# Allegro board FMDEMOD-Long.brd (continued)
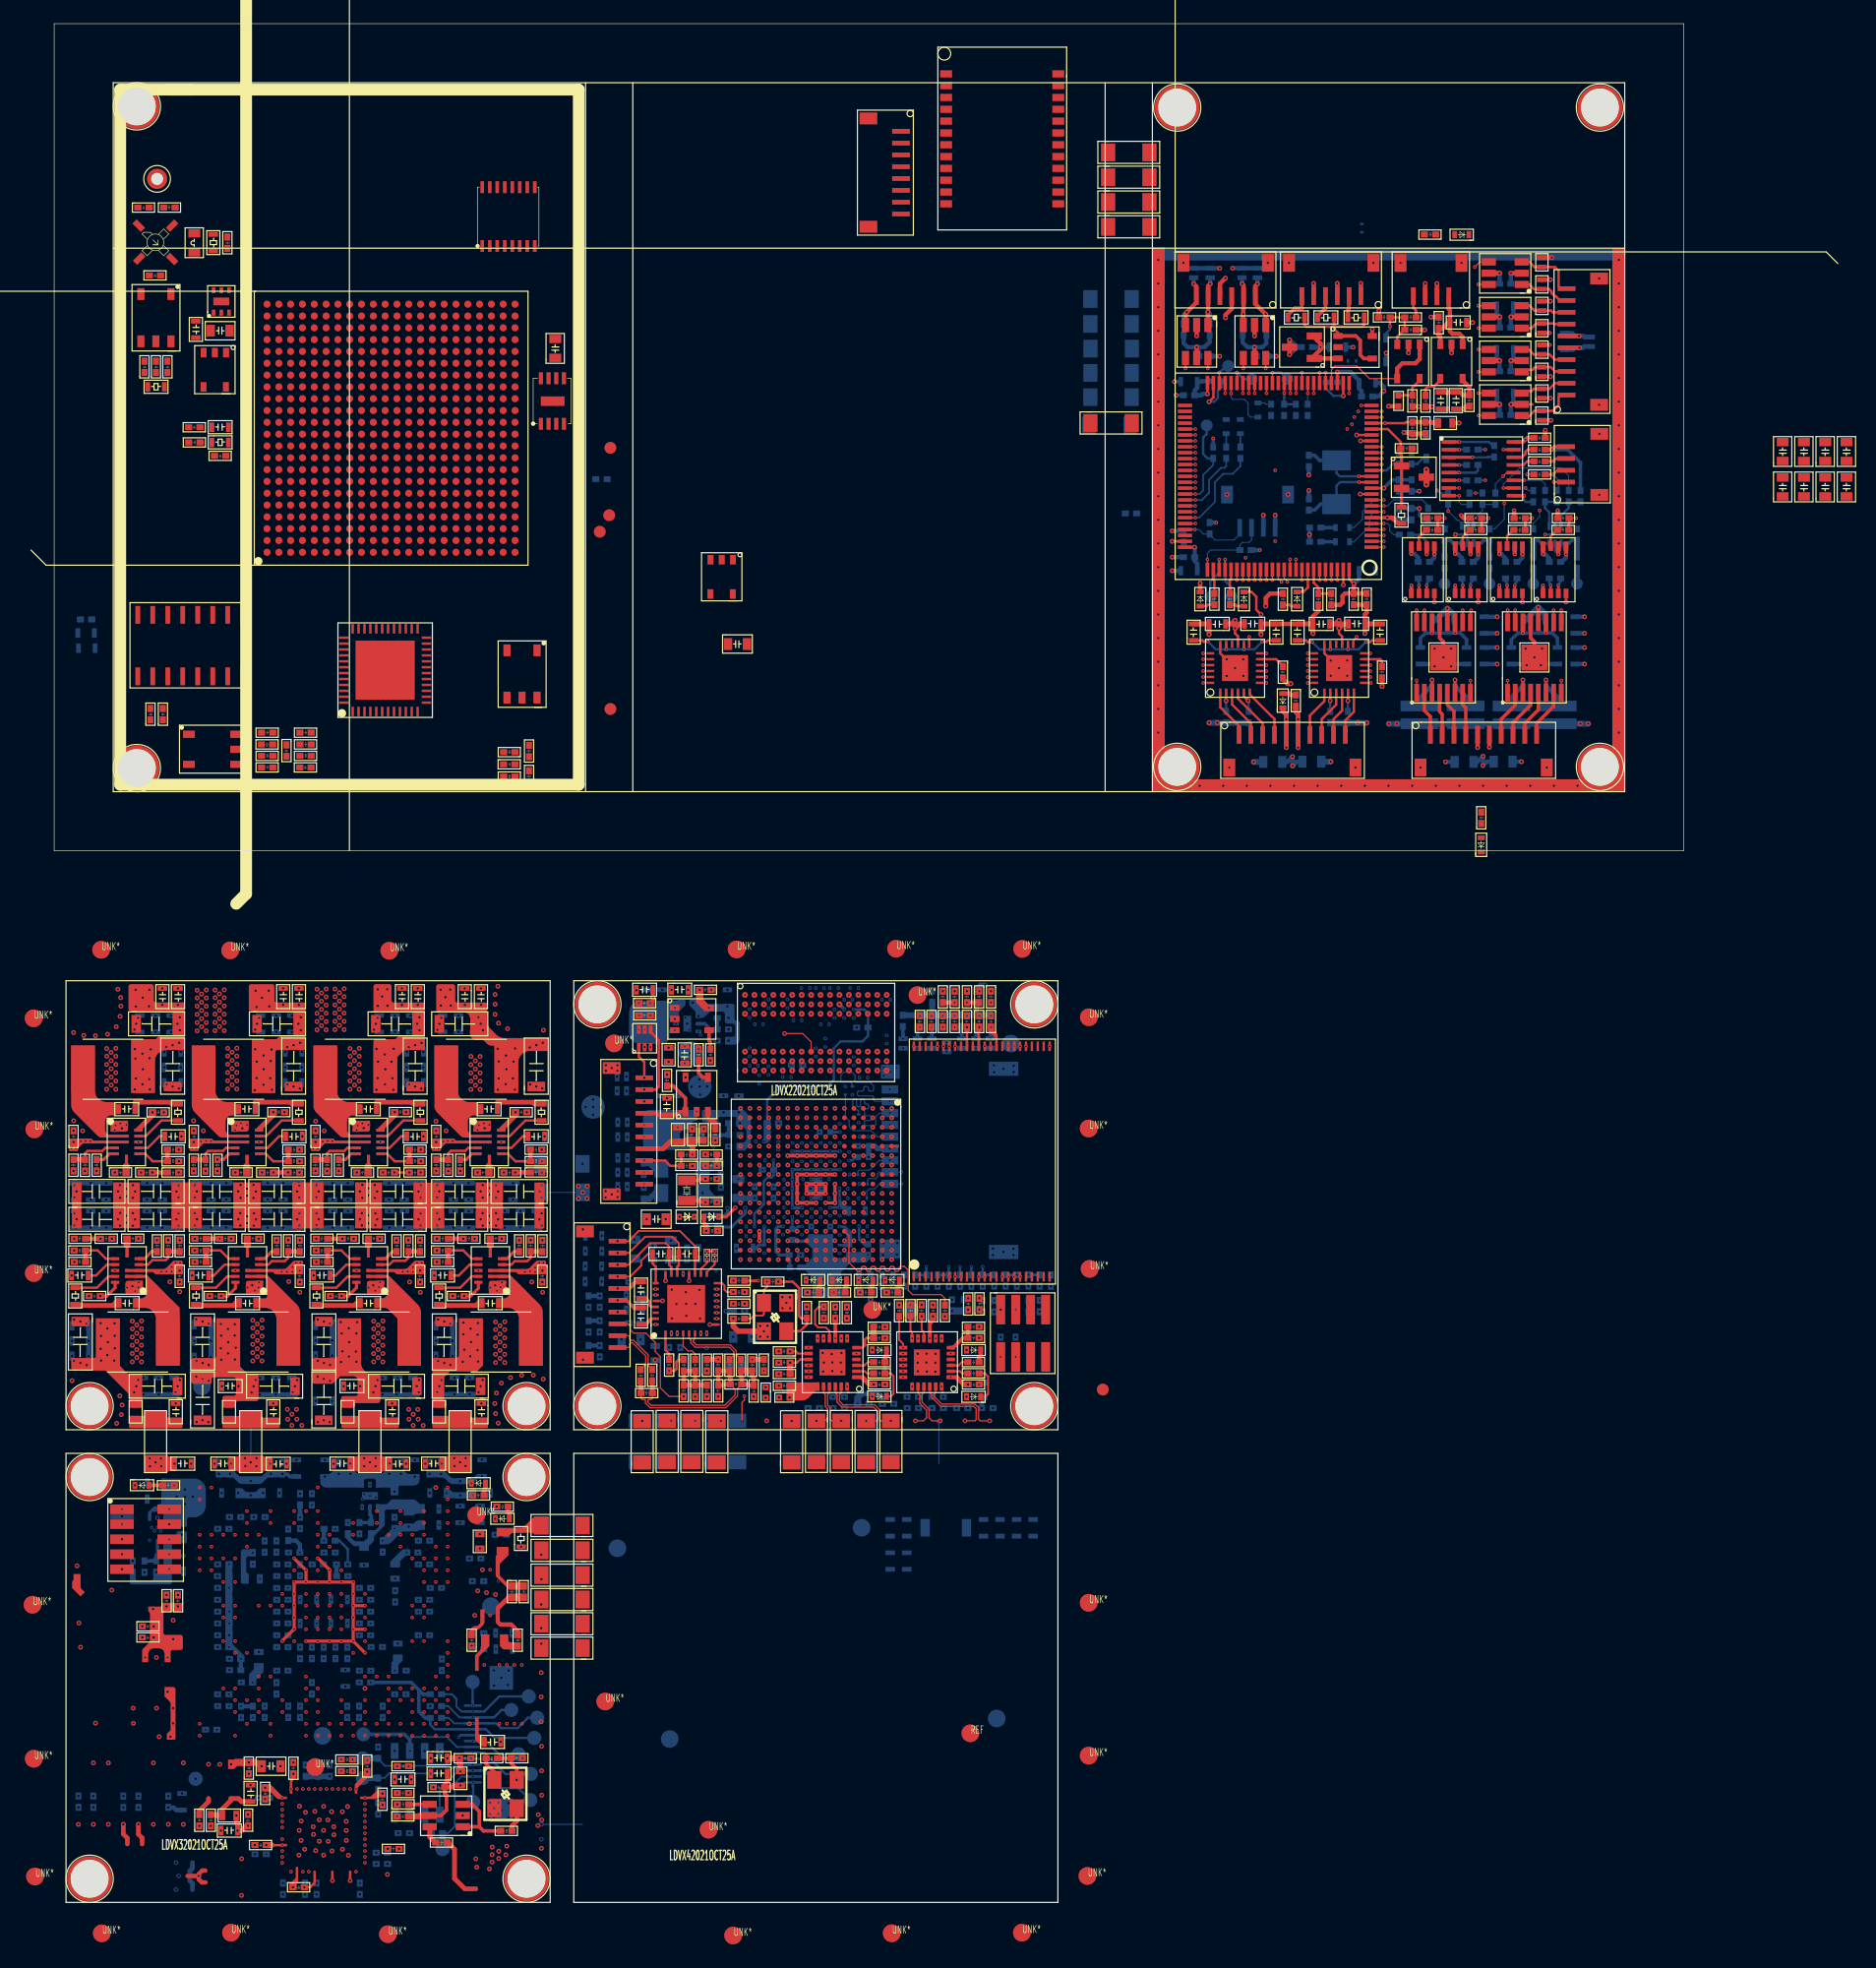
[diagram p0: board, top side]
## Routing (per net, layer and track width the routed paths; a pad name or vN(x,y) marks a point on that pad's centre or on a via; arc(x,y) is an arc through that point) (continued)
  vias: v2(1.51,-44.85) v2(1.64,-15.39) v2(1.65,-22.85) v2(2.4,-23.7) v2(2.5,-15.62) v2(3.49,-15.65) v2(4.44,-16.74) v2(4.44,-18.09) v2(4.44,-18.78) v2(4.44,-19.48) v2(4.44,-20.18) v2(4.52,-15.53) v2(4.45,-17.39) v2(4.82,-17.06) v2(4.82,-17.76) v2(4.82,-18.45) v2(4.82,-19.15) v2(4.83,-19.83) v2(5.22,-16.72) v2(5.22,-17.39) v2(5.22,-18.09) v2(5.22,-18.78) v2(5.22,-19.48) v2(5.22,-20.18) v2(5.25,-14.89) v2(5.29,-48.46) v2(5.39,-11.72) v2(5.62,-12.43) v2(5.64,-13.15) v2(5.58,-14.01) v2(5.55,-46.14) v2(5.68,-47.72) v2(5.75,-46.91) v2(6.62,-39.81) v2(6.62,-40.46) v2(6.62,-41.16) v2(6.61,-41.85) v2(6.62,-42.55) v2(6.61,-43.25) v2(6.99,-40.13) v2(6.99,-40.83) v2(6.99,-41.52) v2(6.99,-42.22) v2(7,-42.9) v2(7.4,-39.79) v2(7.39,-40.46) v2(7.39,-41.16) v2(7.39,-41.85) v2(7.39,-42.55) v2(7.39,-43.25) v2(9.8,-36.48) v2(10.64,-37.32) v2(11.8,-22.85) v2(12.1,-11.8) v2(12.11,-12.45) v2(12.1,-13.16) v2(12.1,-13.85) v2(12.1,-14.55) v2(12.1,-15.25) v2(12.48,-12.13) v2(12.48,-12.83) v2(12.48,-13.52) v2(12.48,-14.21) v2(12.48,-14.89) v2(12.63,-23.7) v2(12.88,-11.79) v2(12.88,-12.46) v2(12.88,-13.15) v2(12.88,-13.85) v2(12.88,-14.55) v2(12.88,-15.25) v2(13.62,-11.79) v2(13.63,-12.44) v2(13.62,-13.14) v2(13.62,-13.83) v2(13.62,-14.53) v2(13.62,-15.23) v2(14,-12.11) v2(13.99,-12.81) v2(14,-13.5) v2(14,-14.2) v2(14,-14.87) v2(14.4,-11.77) v2(14.4,-12.44) v2(14.4,-13.14) v2(14.39,-13.83) v2(14.4,-14.53) v2(14.4,-15.23) v2(14.69,-16.72) v2(14.7,-17.37) v2(14.69,-18.07) v2(14.69,-18.77) v2(14.69,-19.46) v2(14.69,-20.16) v2(15.07,-17.05) v2(15.06,-17.74) v2(15.07,-18.43) v2(15.07,-19.13) v2(15.07,-19.81) v2(15.47,-16.7) v2(15.46,-17.38) v2(15.47,-18.07) v2(15.46,-18.77) v2(15.46,-19.47) v2(15.47,-20.16) v2(16.82,-39.73) v2(16.83,-40.38) v2(16.82,-41.08) v2(16.82,-41.78) v2(16.82,-42.47) v2(16.82,-43.17) v2(17.2,-40.06) v2(17.19,-40.75) v2(17.2,-41.44) v2(17.2,-42.14) v2(17.2,-42.82) v2(17.6,-39.72) v2(17.59,-40.39) v2(17.59,-41.08) v2(17.59,-41.78) v2(17.59,-42.47) v2(17.59,-43.17) v2(19.75,-47.27) v2(19.77,-48.11) v2(19.86,-36.45) v2(20.13,-47.69) v2(20.13,-48.62) v2(20.52,-47.27) v2(20.55,-48.11) v2(20.75,-82.91) v2(20.73,-85) v2(20.8,-37.36) v2(20.77,-80.86) v2(20.91,-82.11) v2(20.91,-83.76) v2(20.97,-48.63) v2(21.21,-84.5) v2(21.27,-81.38) v2(21.93,-82.6) v2(21.96,-83.25) v2(22.14,-22.89) v2(22.07,-81.3) v2(22.14,-84.61) v2(22.26,-11.71) v2(22.26,-12.36) v2(22.26,-13.06) v2(22.25,-13.76) v2(22.25,-14.45) v2(22.25,-15.15) v2(22.45,-82.01) v2(22.45,-83.83) v2(22.63,-12.04) v2(22.63,-12.73) v2(22.63,-13.42) v2(22.63,-14.12) v2(22.64,-14.8) v2(22.82,-80.88) v2(22.81,-82.9) v2(22.81,-85) v2(22.87,-23.7) v2(23.04,-11.69) v2(23.03,-12.36) v2(23.03,-13.06) v2(23.03,-13.75) v2(23.03,-14.45) v2(23.03,-15.15) v2(23.17,-82.02) v2(23.2,-83.83) v2(23.49,-81.32) v2(23.52,-84.65) v2(23.68,-82.6) v2(23.69,-83.28) v2(23.77,-11.69) v2(23.78,-12.34) v2(23.77,-13.05) v2(23.77,-13.74) v2(23.77,-14.44) v2(23.77,-15.14) v2(24.15,-12.72) v2(24.15,-12.02) v2(24.15,-13.41) v2(24.15,-14.1) v2(24.16,-14.78) v2(24.4,-81.33) v2(24.41,-84.51) v2(24.55,-13.74) v2(24.55,-11.68) v2(24.55,-12.35) v2(24.55,-13.05) v2(24.55,-14.44) v2(24.55,-15.14) v2(24.73,-82.15) v2(24.73,-82.91) v2(24.74,-83.76) v2(24.84,-80.89) v2(24.91,-85.02) v2(25.05,-16.74) v2(25.06,-17.39) v2(25.05,-18.09) v2(25.05,-18.78) v2(25.05,-19.48) v2(25.05,-20.18) v2(25.43,-17.06) v2(25.43,-17.76) v2(25.43,-18.45) v2(25.43,-19.15) v2(25.43,-19.83) v2(25.83,-16.72) v2(25.83,-17.39) v2(25.83,-18.09) v2(25.83,-18.78) v2(25.83,-19.48) v2(25.83,-20.18) v2(27.05,-39.81) v2(27.06,-40.46) v2(27.05,-41.16) v2(27.05,-41.85) v2(27.05,-42.55) v2(27.05,-43.25) v2(27.43,-40.13) v2(27.43,-40.83) v2(27.43,-41.52) v2(27.43,-42.22) v2(27.44,-42.9) v2(27.84,-39.79) v2(27.83,-40.46) v2(27.83,-41.16) v2(27.83,-41.85) v2(27.83,-42.55) v2(27.83,-43.25) v2(30.03,-47.27) v2(30.05,-48.11) v2(30.09,-36.49) v2(30.41,-47.69) v2(30.4,-48.63) v2(30.8,-47.28) v2(30.82,-48.11) v2(31,-37.37) v2(31.25,-48.64) v2(32.33,-22.9) v2(33.19,-23.7) v2(35.3,-17.41) v2(35.29,-18.11) v2(35.29,-18.8) v2(35.29,-19.5) v2(35.29,-20.2) v2(35.66,-17.78) v2(35.67,-18.47) v2(35.67,-19.17) v2(35.67,-19.84) v2(35.78,-86.02) v2(36.06,-17.41) v2(36.07,-18.11) v2(36.06,-18.8) v2(36.06,-19.5) v2(36.07,-20.2) v2(36.86,-86.16) v2(37.1,-84.32) v2(37.09,-84.96) v2(37.08,-85.59) v2(37.33,-12.16) v2(37.33,-12.99) v2(37.34,-13.84) v2(37.31,-46.78) v2(37.38,-39.87) v2(37.38,-40.52) v2(37.38,-41.22) v2(37.37,-41.92) v2(37.38,-42.61) v2(37.37,-43.31) v2(37.38,-47.64) v2(37.45,-45.89) v2(37.57,-11.47) v2(37.62,-14.59) v2(37.6,-48.44) v2(37.65,-84.67) v2(37.65,-85.28) v2(37.75,-40.2) v2(37.75,-40.89) v2(37.75,-41.58) v2(37.75,-42.28) v2(37.76,-42.96) v2(37.87,-45.05) v2(38.15,-41.92) v2(38.16,-39.86) v2(38.15,-40.53) v2(38.15,-41.22) v2(38.15,-42.61) v2(38.15,-43.31) v2(38.25,-84.97) v2(38.33,-84.24) v2(38.39,-15.06) v2(38.64,-44.59) v2(39.58,-44.39) v2(40.44,-36.49) v2(40.58,-44.38) v2(41.44,-15.19) v2(41.36,-37.36) v2(41.41,-44.71) v2(44.39,-28.39) v2(44.4,-29.43) v2(45.14,-28.39) v2(45.12,-29.42) v2(93.5,50) v2(93.5,48) v2(93.5,46) v2(93.5,44) v2(93.5,42) v2(93.5,40) v2(93.5,38) v2(93.5,36) v2(93.5,34) v2(93.5,32) v2(93.5,30) v2(93.5,28) v2(93.5,26) v2(93.5,24) v2(93.5,22) v2(93.5,20) v2(93.5,18) v2(93.5,16) v2(93.5,14) v2(93.5,12) v2(93.5,10) v2(95.63,49.75) v2(97,5.5) v2(99,5.5) v2(99.32,30.15) v2(99.3,16.2) v2(99.3,14.8) v2(99.51,7.05) v2(100.7,16.2) v2(100.7,14.8) v2(101,5.5) v2(102.78,49.75) v2(103,5.5) v2(104.49,30.15) v2(104.57,49.75) v2(105,5.5) v2(107,5.5) v2(108.1,16.1) v2(108.1,14.8) v2(109,5.5) v2(109.5,16.1) v2(109.5,14.8) v2(110.2,7.05) v2(111,5.5) v2(111.72,49.75) v2(113,5.5) v2(114.01,49.75) v2(115,5.5) v2(115.71,7.05) v2(116.9,17.1) v2(116.9,15.6) v2(117,5.5) v2(118.3,17.1) v2(118.3,15.6) v2(119,5.5) v2(119.18,49.75) v2(121,5.5) v2(123,5.5) v2(124.6,17.1) v2(124.7,15.7) v2(125,5.5) v2(125.9,15.7) v2(126,17.1) v2(126.4,7.05) v2(127,5.5) v2(129,5.5) v2(130.83,48.43) v2(130.83,37.74) v2(130.85,35.29) v2(130.85,30.12) v2(132.5,50) v2(132.5,48) v2(132.5,46) v2(132.5,44) v2(132.5,42) v2(132.5,40) v2(132.5,38) v2(132.5,36) v2(132.5,34) v2(132.5,32) v2(132.5,30) v2(132.5,28) v2(132.5,26) v2(132.5,24) v2(132.5,22) v2(132.5,20) v2(132.5,18) v2(132.5,16) v2(132.5,14) v2(132.5,12) v2(132.5,10) v6(28.23,-85.74) v11(15.93,-23.49) v23(5.13,-23.65) v23(5.2,-23.24) v23(5.6,-23.07) v23(6.12,-23.2) v23(6.17,-36.97) v23(6.86,-37.27) v23(7.13,-36.94) v23(7.16,-36.52) v23(12.32,-53.89) v23(12.32,-74.89) v23(14.32,-57.89) v23(14.32,-59.89) v23(14.32,-61.89) v23(14.32,-63.89) v23(14.32,-64.89) v23(14.32,-66.89) v23(14.32,-70.89) v23(15.34,-23.65) v23(15.32,-67.89) v23(15.32,-72.89) v23(15.43,-23.25) v23(15.81,-23.06) v23(16.33,-23.2) v23(16.32,-55.89) v23(16.32,-57.89) v23(16.36,-36.97) v23(16.99,-37.23) v23(17.31,-36.96) v23(17.32,-63.89) v23(17.32,-70.89) v23(17.32,-72.89) v23(17.35,-36.52) v23(18.32,-55.89) v23(18.32,-73.89) v23(19.32,-62.89) v23(19.32,-63.89) v23(19.32,-72.89) v23(19.31,-80.65) v23(19.31,-83.65) v23(19.31,-85.65) v23(20.32,-56.89) v23(20.32,-60.89) v23(20.32,-66.89) v23(21.32,-59.89) v23(21.32,-62.89) v23(21.32,-63.89) v23(21.32,-64.89) v23(21.32,-65.89) v23(21.32,-72.89) v23(22.32,-55.89) v23(22.32,-60.89) v23(22.32,-62.89) v23(22.32,-63.89) v23(22.32,-64.89) v23(22.32,-65.89) v23(22.56,-79.4) v23(23.32,-62.89) v23(23.32,-63.89) v23(23.32,-64.89) v23(23.32,-65.89) v23(24.32,-60.89) v23(24.32,-62.89) v23(24.32,-63.89) v23(24.32,-64.89) v23(24.32,-65.89) v23(24.32,-72.89) v23(25.32,-56.89) v23(25.32,-67.89) v23(25.62,-23.65) v23(25.71,-23.25) v23(26.1,-23.07) v23(26.32,-62.89) v23(26.32,-64.89) v23(26.32,-66.89) v23(26.32,-72.89) v23(26.31,-80.65) v23(26.31,-84.15) v23(26.31,-84.65) v23(26.61,-23.2) v23(26.61,-36.97) v23(27.18,-37.24) v23(27.32,-55.89) v23(27.49,-36.93) v23(27.59,-36.52) v23(28.32,-70.89) v23(28.32,-72.89) v23(29.32,-55.89) v23(29.32,-57.89) v23(30.32,-72.89) v23(31.32,-55.89) v23(31.32,-57.89) v23(31.32,-59.89) v23(31.32,-60.89) v23(31.32,-63.89) v23(31.32,-64.89) v23(31.32,-66.89) v23(31.32,-70.89) v23(32.32,-73.89) v23(33.32,-53.89) v23(33.32,-69.89) v23(33.32,-74.89) v23(35.86,-23.65) v23(35.96,-23.22) v23(36.38,-23.06) v23(36.85,-23.2) v23(36.93,-36.97) v23(37.49,-37.25) v23(37.7,-68.9) v23(37.8,-36.93) v23(37.92,-36.52) v23(58.12,-21.8) v23(58.12,-32.2) v23(58.12,-34.6) v23(58.5,-12.2) v23(58.92,-32.2) v23(59.3,-12.2) v23(59.3,-17) v23(59.3,-18.6) v23(59.72,-33.8) v23(59.72,-34.6) v23(60.9,-13) v23(60.9,-18.6) v23(61.7,-13) v23(61.7,-17.8) v23(61.7,-18.6) v23(62.12,-26.6) v23(62.12,-27.4) v23(62.12,-28.2) v23(62.12,-29) v23(62.12,-30.6) v23(62.5,-12.2) v23(62.92,-26.6) v23(62.92,-30.6) v23(63.3,-12.2) v23(63.3,-13) v23(63.3,-18.6) v23(63.72,-26.6) v23(63.72,-30.6) v23(64.52,-26.6) v23(64.52,-30.6) v23(64.9,-17.8) v23(65.32,-26.6) v23(65.32,-30.6) v23(66.12,-23.4) v23(66.12,-26.6) v23(66.12,-30.6) v23(66.92,-25.8) v23(66.92,-26.6) v23(66.92,-27.4) v23(66.92,-28.2) v23(66.92,-29) v23(66.92,-29.8) v23(66.92,-30.6) v23(67.3,-12.2) v23(67.3,-18.6) v23(67.72,-27.4) v23(68.9,-12.2) v23(68.9,-18.6) v23(69.32,-23.4) v23(69.32,-26.6) v23(70.5,-12.2) v23(70.5,-18.6) v23(70.92,-21.8) v23(70.92,-34.6) v24(1.63,-23.7) v24(1.72,-28.3) v24(1.71,-29.35) v24(1.71,-30.66) v24(1.71,-31.72) v24(1.69,-33.83) v24(1.69,-39.67) v24(1.89,-28.83) v24(1.89,-31.19) v24(1.94,-60.52) v24(2.09,-65.36) v24(2.21,-39.84) v24(2.23,-67.4) v24(2.61,-27.11) v24(2.74,-40.03) v24(2.95,-37.68) v24(3.32,-77.19) v24(3.5,-73.83) v24(4.59,-77.19) v24(4.59,-82.4) v24(4.89,-32.83) v24(4.88,-62.57) v24(5.14,-27.22) v24(5.73,-23.49) v24(5.74,-55.72) v24(6.62,-36.86) v24(6.69,-72.56) v24(6.7,-73.85) v24(6.79,-15.13) v24(6.83,-53.7) v24(6.94,-14.64) v24(7.1,-14.13) v24(7.13,-32.83) v24(7.35,-27.22) v24(7.46,-65.64) v24(7.46,-66.58) v24(8.4,-77.19) v24(8.4,-82.4) v24(8.66,-68.27) v24(8.66,-72.56) v24(8.88,-74.98) v24(9.16,-11.65) v24(9.29,-22.14) v24(9.51,-19.77) v24(9.52,-62.99) v24(9.65,-32.95) v24(10.03,-19.95) v24(10.07,-65.12) v24(10.28,-45.83) v24(10.29,-46.78) v24(10.35,-28.83) v24(10.35,-31.2) v24(10.48,-11.65) v24(10.53,-28.31) v24(10.52,-29.35) v24(10.53,-30.67) v24(10.53,-31.73) v24(10.45,-45.31) v24(10.49,-62.99) v24(10.55,-20.13) v24(10.56,-26.28) v24(10.63,-36.5) v24(10.63,-44.8) v24(10.94,-77.19) v24(11.59,-51.88) v24(11.82,-23.7) v24(11.9,-28.29) v24(11.91,-29.35) v24(11.9,-30.66) v24(11.9,-31.72) v24(11.9,-33.83) v24(12.03,-39.66) v24(12.08,-28.83) v24(12.08,-31.19) v24(12.06,-48.35) v24(12.29,-82.53) v24(12.57,-39.84) v24(12.56,-48.2) v24(12.82,-27.11) v24(13.1,-40.03) v24(13.05,-48.35) v24(13.17,-37.68) v24(13.26,-82.53) v24(13.58,-51.88) v24(14.03,-77.31) v24(14.13,-82.93) v24(14.2,-45.31) v24(14.98,-32.83) v24(15.35,-27.22) v24(15.88,-85.31) v24(15.86,-88.41) v24(16.42,-81.56) v24(16.48,-78.11) v24(16.63,-79.07) v24(16.77,-36.76) v24(17.02,-15.14) v24(16.99,-84.14) v24(17.18,-14.64) v24(17.34,-14.14) v24(17.32,-32.83) v24(17.6,-27.22) v24(17.86,-80.26) v24(18.55,-46.78) v24(19.16,-77.47) v24(19.39,-11.65) v24(19.51,-22.12) v24(19.74,-19.77) v24(19.68,-51.88) v24(19.82,-32.95) v24(20.21,-45.84) v24(20.27,-19.95) v24(20.26,-77.16) v24(20.39,-45.31) v24(20.58,-28.83) v24(20.58,-31.2) v24(20.57,-44.8) v24(20.72,-11.65) v24(20.8,-20.13) v24(20.79,-26.28) v24(20.75,-28.32) v24(20.75,-29.36) v24(20.76,-30.67) v24(20.76,-31.73) v24(20.8,-36.5) v24(22.12,-23.7) v24(22.21,-28.3) v24(22.21,-29.34) v24(22.22,-30.67) v24(22.21,-31.7) v24(22.19,-33.83) v24(22.32,-39.67) v24(22.32,-48.36) v24(22.39,-28.83) v24(22.39,-31.19) v24(22.84,-39.84) v24(22.83,-48.2) v24(23.11,-27.11) v24(23.33,-48.35) v24(23.38,-37.68) v24(23.36,-40.02) v24(23.67,-51.88) v24(24.51,-45.31) v24(25.36,-32.83) v24(25.63,-27.22) v24(26.21,-23.47) v24(26.51,-76.98) v24(27.01,-36.78) v24(27.08,-15.14) v24(27.23,-14.64) v24(27.39,-14.13) v24(27.57,-32.83) v24(27.8,-80.75) v24(27.85,-27.22) v24(28.21,-86.63) v24(28.62,-46.78) v24(28.84,-78.6) v24(29.05,-81.72) v24(29.06,-77.47) v24(29.21,-84.47) v24(29.45,-11.65) v24(29.8,-22.12) v24(29.8,-51.88) v24(30.04,-19.77) v24(29.99,-32.95) v24(30.57,-19.95) v24(30.71,-45.31) v24(30.79,-11.65) v24(30.85,-28.83) v24(30.85,-31.2) v24(30.89,-44.79) v24(30.88,-45.84) v24(31.05,-26.28) v24(31.04,-28.3) v24(31.03,-29.38) v24(31.03,-30.67) v24(31.03,-31.72) v24(30.99,-36.5) v24(31.09,-20.13) v24(31.43,-51.88) v24(31.89,-76.8) v24(31.89,-78.1) v24(32.11,-79.25) v24(32.35,-23.7) v24(32.32,-53.89) v24(32.43,-28.29) v24(32.43,-29.35) v24(32.43,-30.65) v24(32.43,-31.73) v24(32.41,-33.83) v24(32.45,-15.15) v24(32.5,-39.66) v24(32.62,-14.64) v24(32.61,-28.83) v24(32.61,-31.19) v24(32.78,-14.13) v24(33.03,-39.84) v24(33.37,-27.11) v24(33.55,-40.02) v24(33.75,-37.68) v24(34.6,-81.65) v24(34.76,-11.65) v24(35.16,-73.88) v24(35.33,-53.52) v24(35.29,-76.8) v24(35.35,-67.29) v24(35.6,-32.83) v24(35.61,-64.71) v24(35.7,-85.31) v24(35.86,-27.22) v24(35.94,-45.83) v24(35.86,-62.63) v24(36.13,-11.65) v24(36.11,-45.31) v24(36.17,-46.78) v24(36.28,-44.8) v24(36.26,-60.85) v24(36.45,-23.48) v24(36.61,-62.78) v24(36.92,-80.56) v24(36.92,-81.52) v24(37.34,-36.78) v24(37.27,-81.03) v24(37.35,-56.53) v24(37.37,-62.95) v24(37.6,-80.55) v24(37.61,-81.51) v24(37.82,-75.41) v24(37.89,-32.83) v24(38.08,-27.22) v24(39.54,-58.9) v24(39.66,-76.8) v24(40.02,-22.13) v24(40.3,-19.78) v24(40.35,-32.95) v24(40.83,-19.95) v24(40.99,-81.57) v24(40.96,-82.5) v24(41.1,-28.83) v24(41.1,-31.2) v24(41.34,-20.11) v24(41.3,-26.28) v24(41.28,-28.3) v24(41.28,-29.36) v24(41.27,-30.67) v24(41.28,-31.73) v24(41.34,-36.5) v24(41.27,-75.79) v24(41.27,-77.86) v24(41.28,-79.93) v24(41.29,-82.02) v24(50.01,-16.61) v24(55.16,-26.67) v24(56.12,-27.77) v24(58.47,-37.34) v24(61.67,-37.78) v24(61.67,-38.71) v24(62,-38.26) v24(62.29,-37.8) v24(62.33,-38.72) v24(63.73,-38.6) v24(65.08,-42.5) v24(65.12,-44.07) v24(65.18,-43.32) v24(65.84,-42.59) v24(65.9,-43.3) v24(65.89,-44.03) v24(66.15,-38.61) v24(66.61,-43.32) v24(66.67,-42.51) v24(66.68,-44.1) v24(70.35,-40.29) v24(70.35,-41.23) v24(73.12,-43.33) v24(73.14,-44.06) v24(74.42,-38.44) v24(78.33,-45.17) v25(52.55,-14.24) v25(55.57,-17.75) v26(46.71,-18.15) v26(46.72,-18.62) v26(46.69,-28.81) v26(46.69,-29.35) v26(47.21,-18.39) v26(47.21,-29.08) v26(47.69,-18.15) v26(47.69,-18.62) v26(47.72,-28.81) v26(47.7,-29.31) v26(49.3,-11.8) v26(49.52,-12.89) v26(49.53,-13.93) v26(49.97,-21.22) v26(50.18,-31.18) v26(51.89,-20.95) v26(52.27,-11.77) v26(53.4,-16.57) v26(54.02,-23.54) v26(54.05,-26.67) v26(54.41,-22.08) v26(55.63,-11.77) v26(56.12,-29.73) v26(57.52,-36.38) v26(59.78,-40.22) v26(59.78,-41.13) v26(60.41,-40.2) v26(60.42,-41.13) v26(61.36,-44.29) v26(61.36,-45.28) v26(70.35,-45.17) v26(73.13,-42.56) v26(73.31,-13.97) v26(73.46,-38.43) v26(73.87,-42.56) v26(73.86,-43.31) v26(73.91,-44.07) v26(74.29,-13.97) v26(74.63,-42.57) v26(74.62,-43.32) v26(74.62,-44.09) v26(75.26,-11.89) v26(75.26,-13.97) v26(76.26,-13.97) v26(77.3,-13.97) v26(77.4,-38.84) v26(78.33,-11.89) v26(78.33,-13.97) v26(78.33,-40.29) v26(78.33,-41.23) v26(78.35,-38.83) v26(79.33,-11.89) v26(79.33,-13.97) v27(72.8,-16.55) v27(78.8,-16.55) v27(78.8,-36.05) v27(84.3,-16.55) v28(64.9,-13) v29(47.67,-19.11) v29(47.67,-20.32) v29(47.73,-22.97) v29(47.73,-24.22) v29(47.74,-26) v29(47.73,-27.22) v29(47.73,-28.42) v29(50.18,-11.77) v29(51.49,-11.77) v29(65.95,-46.22) v29(68.16,-36.86) v29(69.13,-36.86) v29(69.13,-38.95) v29(69.39,-43.27) v29(70.09,-36.86) v29(71.04,-36.86) v29(71.97,-36.86) v29(73.19,-46.22) v29(74.33,-46.22) v29(78.63,-36.86) v29(78.63,-39.02) v29(79.61,-39.02) v29(82.5,-39.02) v29(83.45,-36.86) v29(84.4,-36.86) v30(1.52,-40.2) v30(1.52,-41.48) v30(1.52,-42.77) v30(1.8,-29.53) v30(1.8,-30.49) v30(2.06,-80) v30(3.09,-29.53) v30(3.09,-30.49) v30(4.39,-29.53) v30(4.39,-30.49) v30(5.74,-56.32) v30(7.25,-15.35) v30(7.55,-44.62) v30(7.64,-61.06) v30(7.87,-29.53) v30(7.87,-30.49) v30(7.88,-53.52) v30(7.88,-54.86) v30(8.14,-47.93) v30(8.14,-48.56) v30(8.11,-51.42) v30(8.11,-52.08) v30(8.58,-15.34) v30(8.59,-48.25) v30(8.59,-51.75) v30(8.85,-44.62) v30(9.04,-52.06) v30(9.05,-47.94) v30(9.06,-48.58) v30(9.07,-51.43) v30(9.16,-29.53) v30(9.16,-30.49) v30(9.66,-80) v30(9.9,-15.34) v30(10.16,-44.62) v30(10.31,-85.63) v30(10.31,-87.91) v30(10.46,-29.53) v30(10.46,-30.49) v30(10.53,-86.76) v30(10.73,-17.03) v30(10.73,-18.33) v30(10.73,-19.64) v30(10.94,-59.68) v30(10.94,-60.98) v30(11.87,-40.11) v30(11.87,-41.48) v30(11.87,-42.87) v30(11.99,-29.53) v30(11.99,-30.49) v30(13.29,-29.53) v30(13.29,-30.49) v30(13.84,-57.39) v30(13.84,-60.39) v30(13.83,-61.38) v30(13.84,-62.39) v30(13.84,-63.39) v30(13.85,-64.39) v30(13.85,-65.39) v30(13.85,-66.39) v30(13.85,-67.39) v30(13.95,-51.77) v30(14.18,-54.35) v30(14.57,-29.52) v30(14.57,-30.49) v30(14.84,-56.39) v30(14.84,-68.38) v30(14.84,-69.34) v30(14.9,-51.77) v30(16.17,-47.92) v30(16.19,-48.58) v30(16.16,-51.41) v30(16.19,-52.07) v30(16.9,-56.39) v30(17,-84.93) v30(17.1,-47.94) v30(17.1,-48.56) v30(17.13,-51.42) v30(17.1,-52.07) v30(17.28,-80.15) v30(17.41,-44.62) v30(17.48,-15.34) v30(18.08,-29.52) v30(18.08,-30.5) v30(18.36,-51.77) v30(18.8,-15.34) v30(18.77,-44.62) v30(19.09,-54.35) v30(19.33,-51.77) v30(19.39,-29.52) v30(19.39,-30.5) v30(19.37,-88.32) v30(20.12,-15.34) v30(20.12,-44.62) v30(20.51,-51.55) v30(20.68,-29.53) v30(20.68,-30.5) v30(20.82,-54.41) v30(20.98,-17.03) v30(20.98,-18.33) v30(20.98,-19.64) v30(21.24,-88.32) v30(21.29,-77.37) v30(22.14,-40.17) v30(22.14,-41.45) v30(22.14,-42.73) v30(22.13,-46.56) v30(22.22,-88.32) v30(22.29,-29.53) v30(22.3,-30.5) v30(22.36,-77.37) v30(22.93,-51.55) v30(23.34,-77.37) v30(23.57,-29.53) v30(23.59,-30.5) v30(24.11,-51.77) v30(24.66,-69.32) v30(24.86,-29.53) v30(24.89,-30.5) v30(25.09,-51.77) v30(25.88,-88.32) v30(26.25,-60.45) v30(26.28,-47.94) v30(26.27,-48.59) v30(26.27,-51.43) v30(26.29,-52.08) v30(26.75,-48.25) v30(26.75,-51.75) v30(27.23,-47.92) v30(27.21,-48.58) v30(27.22,-51.42) v30(27.2,-52.07) v30(27.44,-75.85) v30(27.43,-81.52) v30(27.52,-15.34) v30(27.8,-44.62) v30(28.36,-29.53) v30(28.38,-30.5) v30(28.38,-51.77) v30(28.84,-81.58) v30(28.86,-15.34) v30(28.88,-63.57) v30(29.09,-44.62) v30(29.13,-83.14) v30(29.36,-51.77) v30(29.64,-29.53) v30(29.66,-30.5) v30(30.19,-15.34) v30(30.38,-44.62) v30(30.53,-51.55) v30(30.94,-29.53) v30(30.95,-30.5) v30(31.27,-17.03) v30(31.27,-18.33) v30(31.27,-19.64) v30(31.78,-51.77) v30(31.81,-54.35) v30(31.84,-72.39) v30(32.33,-40.19) v30(32.33,-41.47) v30(32.33,-42.77) v30(32.52,-29.52) v30(32.53,-30.5) v30(32.58,-44.6) v30(32.75,-51.77) v30(32.9,-15.34) v30(33.81,-29.52) v30(33.81,-30.5) v30(33.89,-44.6) v30(33.89,-47.9) v30(33.9,-48.58) v30(33.91,-51.43) v30(33.93,-52.06) v30(34.23,-15.34) v30(34.38,-48.25) v30(34.38,-51.75) v30(34.37,-56.86) v30(34.84,-51.43) v30(34.81,-52.06) v30(34.85,-47.89) v30(34.85,-48.58) v30(35.1,-29.52) v30(35.1,-30.5) v30(35.19,-44.6) v30(35.17,-59.89) v30(35.41,-61.81) v30(35.41,-66.21) v30(35.42,-67.56) v30(35.57,-15.34) v30(36.06,-55.45) v30(36.23,-51.53) v30(36.94,-54.35) v30(37.22,-69.37) v30(37.25,-70.64) v30(37.2,-80.57) v30(37.23,-81.85) v30(37.55,-29.53) v30(37.86,-70) v30(37.86,-81.2) v30(38.15,-30.49) v30(38.3,-57.89) v30(38.42,-70.6) v30(38.48,-69.37) v30(38.47,-80.59) v30(38.47,-81.84) v30(38.58,-61.81) v30(38.79,-66.21) v30(38.8,-67.56) v30(38.85,-29.53) v30(39.49,-30.49) v30(40.82,-30.49) v30(49.13,-32.91) v30(49.92,-27.39) v30(49.92,-28.5) v30(51.39,-20.73) v30(52.7,-20.73) v30(53.2,-17.12) v30(53.61,-14.64) v30(53.88,-16.47) v30(53.89,-17.13) v30(53.91,-17.78) v30(53.98,-19.97) v30(54.53,-17.1) v30(54.65,-19.35) v30(54.67,-19.96) v30(54.7,-20.64) v30(54.67,-24.1) v30(55.22,-30.89) v30(55.21,-31.84) v30(55.29,-19.94) v30(55.74,-11.77) v30(56.68,-20.73) v30(57,-11.77) v30(57.11,-15.11) v30(57.78,-33.64) v30(57.98,-20.73) v30(58.08,-24.05) v30(58.47,-38.95) v30(59.1,-41.14) v30(61.34,-23.06) v30(63.2,-34.21) v30(64.05,-28.6) v30(67.95,-14.96) v30(68.69,-30.48) v30(70.2,-33.2) v30(70.18,-34.21) v30(70.8,-33.7) v30(71.39,-33.2) v30(71.36,-34.17) v30(73.86,-36.86) v30(74.81,-36.86) v30(76.72,-36.86) v30(77.67,-36.86) v30(79.49,-33.67) v30(79.5,-34.23) v30(79.58,-18.17) v30(79.59,-18.74) v30(80.15,-41.16) v30(80.4,-18.45) v30(80.4,-33.95) v30(81.23,-33.68) v30(81.23,-34.22) v30(81.25,-18.2) v30(81.26,-18.72) v30(81.41,-41.16) v30(81.52,-36.86) v31(8.09,-58.36) v31(8.26,-57.28) v31(8.5,-57.55) v31(8.74,-57.28) v31(9.02,-57.56) v31(9.24,-57.26) v31(13.84,-71.39) v31(13.85,-72.39) v31(13.78,-74.38) v31(15.84,-70.38) v31(16.82,-60.37) v31(16.82,-73.36) v31(17.82,-59.36) v31(17.82,-73.35) v31(18.81,-59.36) v31(18.84,-60.39) v31(18.84,-61.39) v31(18.84,-62.39) v31(18.84,-63.39) v31(18.84,-64.39) v31(18.84,-65.39) v31(18.84,-66.38) v31(18.84,-67.39) v31(18.82,-71.36) v31(19.84,-59.38) v31(19.8,-69.39) v31(19.82,-73.35) v31(20.82,-60.4) v31(20.82,-68.36) v31(20.82,-73.35) v31(21.82,-68.36) v31(22.23,-63.37) v31(22.23,-65.39) v31(22.8,-60.39) v31(22.82,-68.36) v31(23.43,-63.37) v31(23.43,-65.39) v31(23.8,-57.39) v31(23.8,-59.39) v31(23.82,-68.36) v31(24.82,-68.36) v31(24.82,-73.35) v31(24.87,-61.39) v31(25.84,-70.39) v31(25.82,-73.35) v31(25.85,-57.81) v31(25.85,-69.38) v31(26.12,-54.86) v31(26.09,-55.54) v31(26.26,-54.46) v31(26.74,-54.59) v31(26.8,-62.39) v31(26.8,-63.39) v31(26.8,-64.39) v31(26.8,-65.39) v31(26.8,-66.38) v31(27.23,-54.73) v31(27.82,-59.34) v31(27.8,-67.39) v31(27.82,-73.35) v31(28.82,-56.41) v31(28.84,-71.38) v31(29.81,-69.38) v31(30.8,-59.39) v31(31.8,-58.39) v31(31.8,-60.39) v31(31.8,-63.39) v31(31.8,-64.39) v31(31.8,-66.39) v31(32.58,-55.7) v31(32.58,-57.06) v31(32.8,-62.39) v31(32.82,-68.41) v31(53.45,-14.12) v31(53.77,-15.15) v31(54.56,-15.29) v31(54.74,-15.59) v31(55.62,-24.75) v31(55.81,-25.06) v31(57.93,-27.79) v31(58.6,-31.8) v31(58.6,-32.6) v31(58.9,-14.11) v31(58.9,-16.7) v31(59.33,-28.42) v31(59.42,-24.59) v31(59.6,-18.2) v31(59.7,-19.7) v31(59.96,-27) v31(60.13,-34.07) v31(60.21,-26.19) v31(60.21,-31) v31(60.5,-13.3) v31(60.5,-18.95) v31(60.93,-28.45) v31(61.32,-25.32) v31(61.7,-19.15) v31(61.72,-32.5) v31(61.8,-27.83) v31(61.8,-28.59) v31(61.8,-29.4) v31(61.8,-30.2) v31(61.8,-31) v31(62.1,-13.3) v31(62.52,-24.73) v31(62.52,-26.28) v31(62.6,-14.34) v31(63.28,-11.63) v31(63.26,-20.62) v31(63.32,-24.73) v31(63.32,-26.28) v31(63.32,-30.89) v31(63.32,-32.5) v31(63.4,-27.8) v31(63.4,-29.4) v31(63.87,-20.63) v31(64.12,-24.73) v31(64.12,-26.28) v31(64.12,-30.31) v31(64.49,-11.63) v31(64.5,-16.71) v31(64.92,-24.73) v31(64.92,-26.28) v31(64.92,-30.31) v31(65.3,-15.9) v31(65.62,-27.8) v31(65.62,-29.4) v31(65.72,-24.73) v31(65.72,-26.28) v31(65.72,-30.89) v31(66.08,-14.14) v31(66.4,-11.63) v31(66.52,-23.11) v31(66.52,-24.73) v31(66.52,-26.28) v31(66.51,-30.89) v31(66.52,-32.51) v31(66.52,-34.07) v31(66.9,-14.14) v31(67.22,-28.6) v31(67.22,-29.4) v31(67.32,-25.5) v31(67.4,-11.63) v31(67.6,-12.6) v31(67.7,-14.14) v31(67.7,-17.45) v31(68.19,-19.19) v31(68.19,-24.2) v31(68.86,-31.8) v31(68.86,-32.6) v31(70.25,-18.35) v31(70.27,-19.04) v31(70.5,-15.62) v31(70.8,-12.6) v31(70.8,-18.7) v31(70.77,-23.2) v31(71.22,-19) v31(71.3,-18.37) v31(71.89,-16.71) v31(73.11,-16.71) v31(74.33,-16.71) v31(75.58,-16.21) v31(76.86,-16.71) v31(78.06,-16.7) v31(79.27,-16.7)
GNDA: length 2.9
  TOP w0.2: U15.24 v26(51.77,-36.39) ; U15.9 v26(55.53,-40.09) ; U15.20 v26(53.77,-36.39) ; U15.28 v26(51.52,-38.09)
  BOTTOM w0.36: R263.2 v30(56.88,-38.95)
  vias: v26(44.77,-32.04) v26(44.78,-43.07) v26(47.71,-39.04) v26(52.29,-37.15) v26(52.32,-39.57) v26(52.69,-38.36) v26(53.49,-37.36) v26(53.52,-38.34) v26(53.53,-39.35) v26(54.3,-38.35) v26(54.28,-46.2) v26(54.66,-37.17) v26(54.7,-39.58) v26(55.27,-44.02) v26(55.27,-46.19) v26(56.23,-46.19) v26(59.24,-46.2) v29(45.25,-42.83) v30(44.98,-32.59) v30(44.98,-33.87) v30(44.97,-35.16) v30(44.97,-36.45) v30(45.25,-38.63) v30(45.25,-40.73) v30(46.19,-38.63) v30(46.19,-40.73) v30(48.05,-41.36) v30(48.45,-37.6) v30(48.45,-38.87) v30(48.67,-36.48) v30(48.67,-39.98) v30(52.07,-43) v30(52.22,-32.99) v30(53.02,-43) v30(53.59,-33.61) v30(54.56,-33.6)
VBAT_ADC: length 11.6
  TOP w0.1: U22.4 111.38,39.96 110.32,41.02 108.46,41.02 108.17,40.73 U19.29
  TOP w0.36: U22.4 113.73,40.82 114.17,41.26 115.28,41.26 115.64,41.62 U22.1
VBAT_IN:
  vias: v3(1.45,-25.19) v3(1.82,-25.19) v3(2.25,-24.59) v3(2.67,-24.57) v3(3.05,-24.58) v3(9.07,-35.62) v3(9.51,-35.61) v3(9.95,-35.23) v3(9.95,-35.62) v3(10.28,-34.87) v3(10.66,-34.87) v3(11.67,-25.17) v3(12.03,-25.16) v3(12.42,-24.6) v3(12.86,-24.56) v3(13.27,-24.58) v3(19.27,-35.63) v3(19.71,-35.63) v3(20.18,-35.24) v3(20.17,-35.63) v3(20.47,-34.86) v3(20.85,-34.87) v3(20.8,-35.54) v3(21.93,-25.22) v3(22.31,-25.22) v3(22.74,-24.61) v3(23.15,-24.57) v3(23.54,-24.58) v3(29.5,-35.62) v3(29.95,-35.62) v3(30.39,-35.24) v3(30.36,-35.64) v3(30.73,-34.87) v3(31.12,-34.87) v3(32.18,-25.18) v3(32.54,-25.21) v3(32.95,-24.61) v3(33.34,-24.56) v3(33.74,-24.57) v3(39.86,-35.64) v3(40.3,-35.59) v3(40.73,-35.27) v3(40.73,-35.65) v3(41.08,-34.86) v3(41.42,-34.86) v4(10.46,-28.13) v5(1.63,-24.66) v5(1.63,-27.1) v5(1.7,-32.83) v5(5.39,-28.83) v5(5.39,-31.19) v5(5.56,-28.3) v5(5.58,-29.36) v5(5.58,-30.65) v5(5.57,-31.72) v5(6.12,-28.61) v5(6.13,-29.22) v5(6.12,-30.89) v5(6.12,-31.48) v5(6.67,-28.3) v5(6.66,-29.37) v5(6.67,-30.67) v5(6.66,-31.73) v5(6.85,-28.83) v5(6.85,-31.2) v5(10.55,-27.22) v5(10.63,-32.97) v5(10.63,-35.54) v5(11.82,-24.66) v5(11.82,-27.1) v5(11.91,-32.83) v5(15.58,-28.83) v5(15.58,-31.19) v5(15.78,-28.27) v5(15.78,-29.37) v5(15.76,-30.66) v5(15.76,-31.71) v5(16.33,-28.61) v5(16.33,-29.19) v5(16.34,-30.94) v5(16.33,-31.52) v5(16.88,-28.28) v5(16.88,-29.39) v5(16.91,-30.68) v5(16.9,-31.73) v5(17.08,-28.83) v5(17.08,-31.2) v5(20.77,-27.22) v5(20.8,-32.97) v5(22.12,-24.66) v5(22.12,-27.1) v5(22.2,-32.83) v5(25.89,-28.83) v5(25.89,-31.19) v5(26.09,-28.27) v5(26.09,-29.38) v5(26.05,-30.67) v5(26.05,-31.71) v5(26.62,-28.57) v5(26.62,-29.16) v5(26.62,-30.85) v5(26.62,-31.52) v5(27.15,-28.28) v5(27.15,-29.39) v5(27.2,-30.69) v5(27.2,-31.69) v5(27.35,-28.83) v5(27.35,-31.2) v5(31.04,-27.22) v5(30.99,-32.97) v5(30.99,-35.54) v5(32.35,-24.66) v5(32.35,-27.1) v5(32.42,-32.83) v5(36.11,-28.83) v5(36.11,-31.19) v5(36.29,-28.29) v5(36.29,-29.35) v5(36.29,-30.66) v5(36.29,-31.72) v5(36.85,-28.55) v5(36.85,-29.12) v5(36.85,-30.92) v5(36.85,-31.5) v5(37.41,-28.3) v5(37.41,-29.37) v5(37.41,-30.67) v5(37.42,-31.72) v5(37.6,-28.83) v5(37.6,-31.2) v5(41.29,-27.22) v5(41.34,-32.97) v5(41.34,-35.54) v6(1.8,-28.13) v6(1.8,-31.89) v6(3.09,-28.13) v6(3.09,-31.89) v6(4.39,-28.13) v6(4.39,-31.89) v6(7.87,-28.13) v6(7.87,-31.89) v6(9.16,-28.13) v6(9.16,-31.89) v6(10.46,-31.89) v6(11.99,-28.13) v6(11.99,-31.89) v6(13.29,-28.13) v6(13.29,-31.89) v6(14.57,-28.12) v6(14.57,-31.89) v6(18.08,-28.12) v6(18.08,-31.9) v6(19.39,-28.12) v6(19.39,-31.9) v6(20.68,-28.13) v6(20.68,-31.9) v6(22.29,-28.13) v6(22.3,-31.9) v6(23.57,-28.13) v6(23.59,-31.9) v6(24.86,-28.13) v6(24.89,-31.9) v6(28.36,-28.13) v6(28.38,-31.9) v6(29.64,-28.13) v6(29.66,-31.9) v6(30.94,-28.13) v6(30.95,-31.9) v6(32.52,-28.12) v6(32.53,-31.9) v6(33.81,-28.12) v6(33.81,-31.9) v6(35.1,-28.12) v6(35.1,-31.9) v6(37.55,-28.13) v6(38.15,-31.89) v6(38.85,-28.13) v6(39.49,-31.89) v6(40.82,-31.89)
